# Allegro board A523-EVB-AXP717C-LPDDR4-4X-32X1-V1-0.brd (continued)
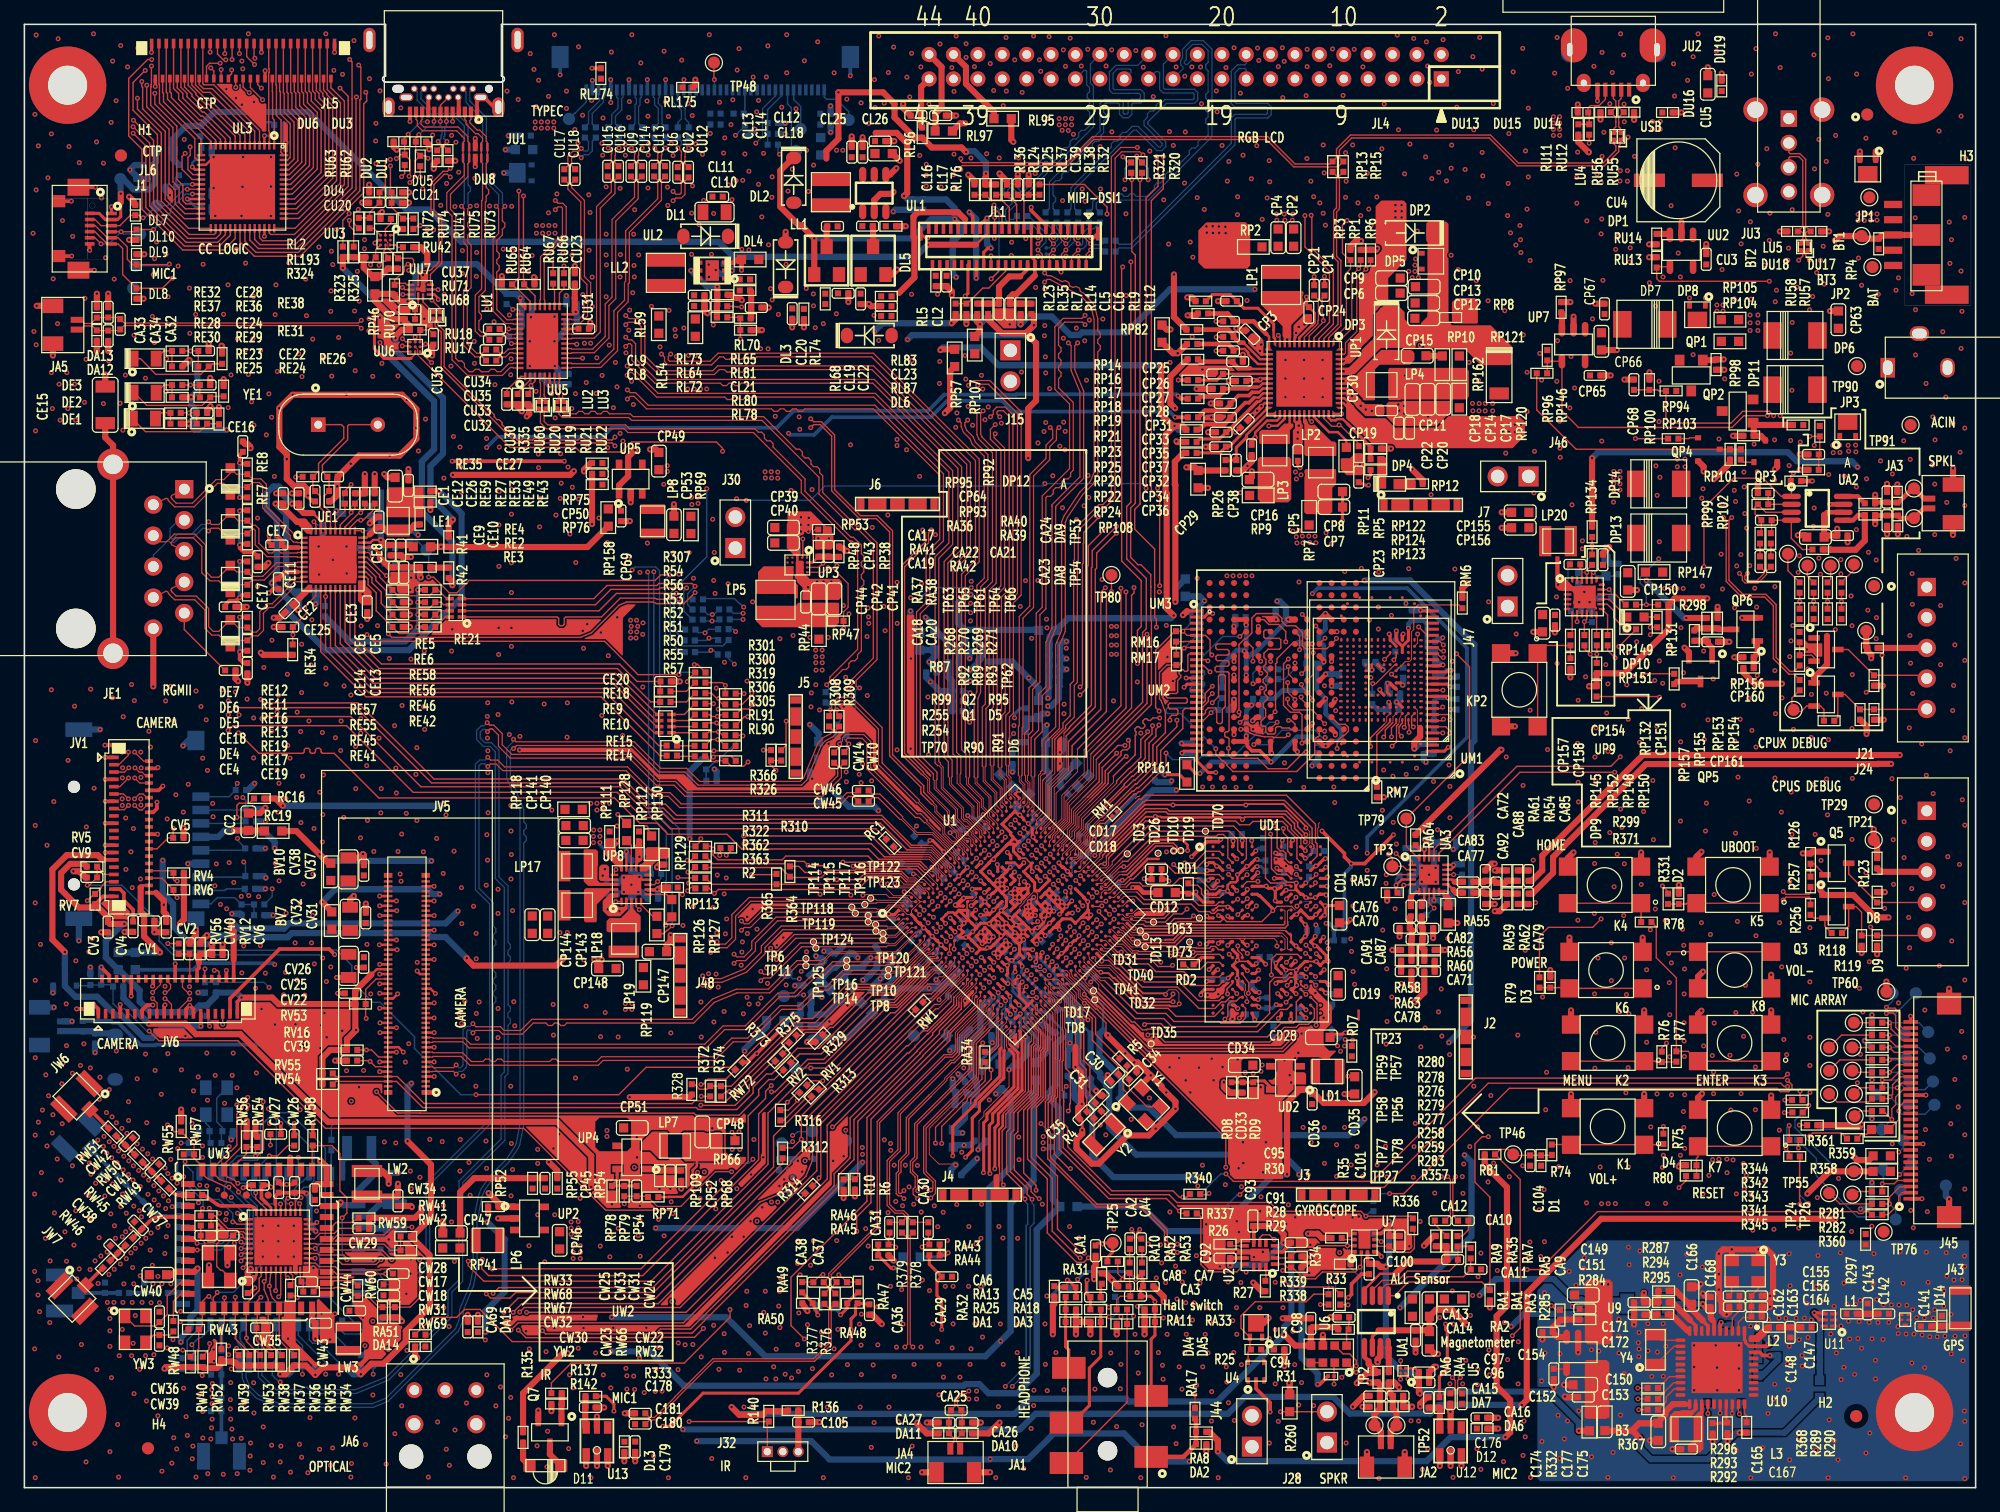
[diagram p0: board, top side]
## Routing (per net, layer and track width the routed paths; a pad name or vN(x,y) marks a point on that pad's centre or on a via; arc(x,y) is an arc through that point) (continued)
  L3 w0.102: JL4.28 91.04,116.68 91.04,115.58 91.72,114.9 v1(91.72,109.3)
LCM-IOVDD: length 6.5
  TOP w0.305: JL1.18 82.26,99.93 81.65,99.33
  TOP w0.508: 81.65,99.33 80.76,99.33 79.92,98.48 79.92,97.1 CL5.1 RL14.2 RL7.2
LCM-VDD33: length 9
  TOP w0.203: JL1.17 82.56,100.93 82.86,100.63 JL1.16
  TOP w0.305: JL1.16 82.86,99.4
  TOP w0.508: RL12.2 RL9.2 CL6.1 80.8,97.6 81.05,97.85 81.31,97.85 82.86,99.4
LDO-X-OUT: length 5.1
  TOP w0.114: U10.2 140.54,13.57 140.93,13.95 141.54,13.95 C164.2 141.61,14.02 C156.1 C155.1 142.2,16.32 Y3.4
LED0/CFG-EXT: length 25.4
  TOP w0.114: RE43.2 28.72,80.28 27.78,79.34 v1(27.58,79.34) 27.3,79.34 26.7,78.74 UE1.32 ; RE24.1 CE22.1 v1(13.47,88.14) RE23.1
  L4 w0.114: v1(27.58,79.34) 27.94,79.7 27.94,80.5 25.16,83.28 21.75,83.28 18.99,86.04 18.99,86.1 16.95,88.14 v1(13.47,88.14)
  BOTTOM w0.102: RE44.1 v1(27.58,79.34)
LED1/CFG-LDO0: length 27.3
  TOP w0.114: RE49.2 27.91,80.28 v1(27.58,79.95) 27.45,79.95 26.3,78.8 UE1.33 ; RE29.1 CE24.1 v1(13.62,90.43) RE28.1
  L4 w0.114: v1(27.58,79.95) 26.96,80.57 23.38,80.57 22.82,81.12 22.82,81.64 18.67,85.79 18.67,85.92 16.83,87.75 13.35,87.75 13.11,87.99 13.11,89.91 v1(13.62,90.43)
  BOTTOM w0.102: v1(27.58,79.95) 28.14,80.51 RE50.1
LED2/CFG-LDO1: length 33.7
  TOP w0.114: UE1.34 25.9,78.95 26.79,79.85 v1(26.79,79.98) 27.1,80.28 RE53.2 ; RE36.1 CE28.1 v1(13.62,93.22) RE32.1
  L4 w0.114: v1(26.79,79.98) 25.96,79.98 25.72,79.74 21,79.74 18.36,82.39 18.36,84.44 17.91,84.89 17.91,86.21 16.79,87.33 14.81,87.33 14.32,86.84 13.34,86.84 12.7,87.47 12.7,92.3 v1(13.62,93.22)
  BOTTOM w0.102: v1(26.79,79.98) 26.79,80.46 27.94,81.6 RE54.1
LED+: length 13.6
  TOP w0.305: JV6.28 14.16,42.47 14.31,42.62 14.31,43.06
  TOP w0.508: v1(15.32,44.58) 15.4,44.49 CV6.1 15.32,43.77 RV12.2 14.31,43.65 14.31,43.06
  BOTTOM w0.508: v1(15.32,44.58) 13.65,44.58 12.19,46.04 12.19,47.88 11.34,48.73 v1(11.34,51.44)
LED-: length 30
  TOP w0.305: JV6.29 v1(14.46,37.84) ; 6.5,51.49 JV1.29
  TOP w0.508: 6.5,51.49 6.41,51.49 6.03,51.87 3.47,51.87 2.3,50.7 2.3,44.95 v1(3.32,43.92)
  BOTTOM w0.508: v1(14.46,37.84) 11.43,37.84 10.47,36.88 9.81,36.88 7.95,38.74 7.5,38.74 5.97,40.26 4.19,40.26 3.32,41.13 QV1.3 v1(3.32,43.92)
LED-EN: length 105.7
  TOP w0.114: R340.1 96.46,24.02 97.03,24.02 v1(97.13,24.13) ; v1(10.24,37.44) 11.02,36.65 17.5,36.65 24.69,29.46 40.95,29.46 47.67,22.75 52.89,22.75 v1(53.16,22.48)
  L3 w0.114: v1(53.16,22.48) 58.8,22.48 62.59,26.27 65.55,26.27 65.79,26.04 75.16,26.04 75.81,25.39 79.34,25.39 79.76,25.82 82.08,25.82 84.46,23.44 96.45,23.44 v1(97.13,24.13)
  BOTTOM w0.114: QV1.1 5.35,41.17 CV7.1 6.28,41.22 RV14.2 7.12,41.25 RV13.2 7.27,39.69 7.71,39.25 8.22,39.25 10.03,37.44 v1(10.24,37.44)
LEDC: length 4.6
  TOP w0.114: R360.2 152.81,22.38 v1(153.7,23.27) 153.7,23.9 153.98,24.19 J45.2
  BOTTOM w0.114: v1(153.7,23.27) 153.82,23.39 TP108.1
LINEOUTLN: length 141.6
  TOP w0.076: 78.57,37.8 78.57,37.86 79.46,38.76 U1.AD1
  TOP w0.102: 78.57,37.8 77.47,36.7 77.47,34.32 73,29.84 73,27.11 72.64,26.75 72.64,25.87 73.04,25.48 73.04,24.65 72.87,24.49 72.87,24.07 v1(73.24,23.7) ; CA18.2 142.66,75.18 142.66,74.98 142.07,74.39 141.17,74.39 141.07,74.5 141.07,74.75 v1(141.29,74.98)
  L3 w0.102: v1(139.6,26.94) 139.37,26.71 139.37,26.37 139.05,26.05 137.5,26.05 136.86,26.69 124.05,26.69 121.87,24.51 115.23,24.51 114.94,24.81 101.82,24.81 97.91,20.9 92.99,20.9 92.11,21.79 74.9,21.79 73.41,23.28 73.41,23.53 v1(73.24,23.7)
  L4 w0.102: v1(141.29,74.98) 141.07,74.75 141.07,73.81 139.4,72.14 139.4,27.14 v1(139.6,26.94)
LINEOUTLP: length 141.8
  TOP w0.076: 78.71,37.66 78.72,37.67 78.72,37.68 78.76,37.72 78.76,37.8 79.81,38.86 U1.AD2
  TOP w0.102: CA20.2 142.86,75.18 142.86,74.9 142.16,74.19 141.08,74.19 140.86,74.41 140.86,74.75 v1(140.64,74.98) ; 78.71,37.66 77.67,36.62 77.67,34.23 73.2,29.76 73.2,27.03 72.85,26.67 72.85,25.96 73.24,25.56 v1(73.24,24.35)
  L3 w0.102: v1(73.24,24.35) 73.61,23.98 73.61,23.36 74.98,21.99 92.19,21.99 93.08,21.11 97.83,21.11 101.73,25.01 115.02,25.01 115.32,24.71 121.79,24.71 123.96,26.89 136.95,26.89 137.59,26.25 138.97,26.25 139.17,26.45 139.17,26.71 v1(138.95,26.94)
  L4 w0.102: v1(138.95,26.94) 139.19,27.19 139.19,72.22 140.86,73.89 140.86,74.75 v1(140.64,74.98)
LINEOUTRN: length 67.7
  TOP w0.076: U1.AE1 79.81,38.46 78.94,37.59
  TOP w0.102: 78.94,37.59 77.85,36.5 77.85,33.68 76.63,32.46 76.62,32.46 73.74,29.57 73.74,25.82 74.5,25.06 74.5,24.57 v1(74.33,24.4) ; CA10.2 117.13,22.32 117.13,25.28 v1(117.36,25.51)
  L3 w0.102: v1(117.36,25.51) 117.13,25.73 117.13,26.03 116.74,26.42 115.65,26.42 115.33,26.1 106.16,26.1 105.71,26.55 100.85,26.55 96.29,21.99 93.52,21.99 92.68,22.83 76.12,22.83 74.78,24.18 74.55,24.18 v1(74.33,24.4)
LINEOUTRP: length 68.5
  TOP w0.076: 79.09,37.45 79.09,37.46 79.09,37.47 79.13,37.51 79.13,37.53 79.83,38.23 79.89,38.23 80.17,38.51 U1.AE2
  TOP w0.102: CA12.2 116.93,22.32 116.93,25.28 v1(116.7,25.51) ; 79.09,37.45 78.05,36.42 78.05,33.6 76.72,32.26 76.71,32.26 73.94,29.49 73.94,25.91 74.7,25.15 74.7,24.12 v1(74.33,23.75)
  L3 w0.102: v1(74.33,23.75) 74.55,23.97 74.7,23.97 76.04,22.63 92.59,22.63 93.43,21.79 96.38,21.79 100.93,26.35 105.63,26.35 106.08,25.89 115.41,25.89 115.74,26.22 116.66,26.22 116.93,25.95 116.93,25.73 v1(116.7,25.51)
LPCLK: length 1.8
  TOP w0.114: RW32.2 22.87,16.74 CW22.2 22.62,16.99 UW2.20
LRADC0: length 114.8
  TOP w0.076: 77.91,39.95 77.91,40.14 U1.Y1
  TOP w0.102: 76.97,38.57 77.91,39.52 77.91,39.95
  TOP w0.114: v1(63.96,12.19) 62.86,13.29 62.86,17.26 69.09,23.48 69.09,30.34 75.69,36.94 75.69,37.29 76.97,38.57 ; R74.1 125.21,27.25 D1.2 C104.2 122.16,27.25 TP46.1 121.67,27.74 121,27.74 R81.2 122.65,25.27 122.65,13.1 v1(122.01,12.46)
  L3 w0.114: v1(122.01,12.46) 121.54,11.99 107.75,11.99 107.22,11.46 78.66,11.46 77.77,12.34 64.11,12.34 v1(63.96,12.19)
LRADC1: length 122.2
  TOP w0.076: U1.Y2 78.4,40.27 78.13,40.01 78.13,39.83
  TOP w0.114: v1(68.25,21.01) 68.25,22.2 69.42,23.37 69.42,30.22 75.9,36.7 75.9,37.23 78.13,39.46 78.13,39.83 ; J45.20 153.97,33.19 v1(153.57,32.79)
  L3 w0.114: v1(68.25,21.01) 68.66,20.6 71.68,20.6 73.8,18.48 89.16,18.48 90.04,19.35 93.22,19.35 94.2,20.34 98.46,20.34 102.24,24.12 111.16,24.12 111.53,23.75 122.46,23.75 124.6,25.89 136.48,25.89 137.17,25.2 139.82,25.2 140.6,25.98 149.64,25.98 151.02,27.36 151.02,30.59 153.22,32.79 v1(153.57,32.79)
  BOTTOM w0.114: TP73.1 152.35,32.79 v1(153.57,32.79)
MBIAS: length 126.3
  TOP w0.076: 80.09,36.05 80.09,37.37 U1.AG1
  TOP w0.254: v1(52.35,5.03) 52.94,5.03 55.65,7.75 63.47,7.75 67.78,12.05 v1(67.78,12.94) 67.78,13.83 68.15,14.2 68.15,14.94 RA48.2 68.74,15.09 CA36.2 ; v1(76.12,27.21) 76.12,29.61 77.98,31.47 77.98,31.74 79.98,33.74 79.98,35.94 80.09,36.05 ; RA44.2 74.2,18.31 CA29.2 74.83,16.91 74.83,15.75 75.22,15.36 v1(75.22,12.97) ; R333.2 47.7,7.49 48.34,6.85 v1(48.34,6.27) ; R332.2 116.03,9.1 116.67,9.74 116.67,12.83 116.54,12.97 v1(116.54,13.41)
  L3 w0.254: v1(52.35,5.03) 49.38,5.03 48.34,6.07 v1(48.34,6.27) ; v1(67.78,12.94) 67.79,12.95 75.2,12.95 v1(75.22,12.97) 84.07,12.97 84.15,13.04 100.19,13.04 100.56,13.41 v1(116.54,13.41) ; v1(71.02,28.22) 73.71,28.22 74.45,27.48 75.85,27.48 v1(76.12,27.21)
  L4 w0.254: v1(71.02,28.22) 70.92,28.22 70.28,27.58 70.28,17.28 67.78,14.78 v1(67.78,12.94)
MBIAS1: length 1.4
  TOP w0.114: v1(113.11,49.4) UA3.5
  BOTTOM w0.114: v1(113.11,49.4) 112.88,49.2 CA80.1
MBIAS2: length 1.3
  TOP w0.114: v1(117.19,50.27) 117.06,50.27 117.06,50.27 UA3.13
  BOTTOM w0.114: v1(117.19,50.27) 117.19,50.27 CA81.1
MCSI-MCLK-F: length 2.9
  TOP w0.114: JV6.26 13.56,43.75 CV40.1 RV56.2
MCSI-MCLK-R: length 81.1
  TOP w0.114: JV1.26 10.88,52.39 11.79,53.29 CV5.1 v1(12.2,54.08) ; RV1.2 63.35,32.4 v1(62.56,31.61)
  L4 w0.114: v1(12.2,54.08) 10.09,54.08 6.68,50.67 6.68,42.92 14.8,34.8 21.42,34.8 26.12,30.1 40.71,30.1 41.71,31.1 55.03,31.1 55.12,31 55.69,31 56.27,31.58 62.13,31.58 62.15,31.61 v1(62.56,31.61)
MCSI-RST-F: length 91.2
  TOP w0.076: U1.M2 75.57,43.1 75.02,42.55 74.46,42.55 74.36,42.45
  TOP w0.114: 74.36,42.45 71.5,39.59 70.34,39.59 69.95,39.19 69.95,39.08 65.66,34.8 64.34,34.8 61.68,32.14 61.68,32.13 60.21,30.65 60.21,26.89 51.05,17.73 51.05,17.73 50.71,17.39 38.06,17.39 37.5,17.95 37.5,18.67 v1(37.55,18.72) ; v1(15.19,37.85) 15.06,37.98 JV6.31
  L3 w0.114: v1(37.55,18.72) 35.34,20.93 34.65,20.93 33.78,21.79 33.78,28.9 30.91,31.77 30.91,34.44 27.38,37.97 26.79,37.97 26.3,38.46 18.72,38.46 17.76,37.5 15.54,37.5 v1(15.19,37.85)
  BOTTOM w0.114: v1(15.19,37.85) 15.19,38.44 RV8.2
MCSI-RST-R: length 77.2
  TOP w0.114: U1.J5 v1(75.97,45.18) ; v1(12.53,49.75) 12.34,49.75 12.22,49.86 RV4.2 12.06,50.59 JV1.32
  L4 w0.076: v1(75.97,45.18) 75.97,44.61 74.66,43.3
  L4 w0.114: v1(12.53,49.75) 15.76,49.75 26.63,38.88 34.51,38.88 37.52,35.87 55.82,35.87 58,38.05 60.88,38.05 61.33,38.5 62.08,38.5 62.08,38.5 62.49,38.5 62.81,38.18 64.99,38.18 67.35,40.54 71.34,40.54 72.82,42.02 73.38,42.02 74.66,43.3
MCSI-SCK-F: length 47.5
  TOP w0.114: v1(55.5,32.09) 55.5,32.09 R372.2 ; JV6.34 15.96,42.3 15.85,42.42 v1(15.57,42.42)
  L4 w0.114: v1(15.57,42.42) 15.57,41.91 26.55,30.93 40.23,30.93 41.68,32.39 55.2,32.39 55.5,32.09 v1(55.5,32.09)
MCSI-SCK-R: length 77.5
  TOP w0.114: U1.L5 76.24,44.82 v1(76.24,44.17) ; v1(12.52,48.39) 12.22,48.68 RV6.2 11.26,49.99 JV1.34
  L4 w0.076: 74.75,42.75 75.46,43.46 75.98,43.46 76.24,43.72 v1(76.24,44.17)
  L4 w0.114: 74.75,42.75 73.46,41.46 73.15,41.46 69.23,37.54 62.55,37.54 62.23,37.86 61.6,37.86 61.15,37.42 58.27,37.42 56.09,35.23 37.17,35.23 34.73,37.68 33.42,37.68 33.02,38.08 29.63,38.08 29.31,37.75 28.16,37.75 27.44,38.48 26.57,38.48 16.66,48.39 v1(12.52,48.39)
MCSI-SDA-F: length 51.6
  TOP w0.114: v1(16.26,38) JV6.35 ; R373.2 61.28,34.7 61.1,34.7 59.44,33.03 59.44,32.51 58.27,31.35 55.48,31.35 v1(55.46,31.37)
  L4 w0.114: v1(55.46,31.37) 55.22,31.61 41.52,31.61 40.51,30.59 26.32,30.59 18.91,38 v1(16.26,38)
MCSI-SDA-R: length 85.6
  TOP w0.076: v1(76.92,43.44) 76.92,43.52 76.63,43.81 U1.N4
  TOP w0.114: v1(5.16,48.13) 5.71,48.68 RV7.2 6.3,49.19 6.3,49.28 6.71,49.69 JV1.35
  L3 w0.114: v1(5.16,48.13) 6.65,49.63 9.12,49.63 9.68,49.07 15.37,49.07 16.59,47.85 v1(16.59,47.47)
  L4 w0.076: v1(76.92,43.44) 76.17,43.44 76.03,43.29
  L4 w0.114: 76.03,43.29 75.63,43.29 71.9,39.56 71.76,39.56 69.31,37.1 58.4,37.1 56.22,34.91 37.03,34.91 35,36.95 28.51,36.95 27.43,38.04 26.56,38.04 17.12,47.47 v1(16.59,47.47)
MCSI-STBY-F: length 73.8
  TOP w0.076: 73.75,42.2 74.25,42.7 74.82,42.7 U1.M1
  TOP w0.114: v1(61.27,32.46) 61.55,32.46 64.21,35.11 65.53,35.11 70.19,39.78 71.33,39.78 73.75,42.2 ; v1(14.81,42.55) 14.76,42.5 JV6.30
  L4 w0.114: v1(61.27,32.46) 60.89,32.08 56.82,32.08 56.34,32.56 55.48,32.56 55.33,32.7 41.48,32.7 40.02,31.25 26.74,31.25 20.07,37.92 v1(20.07,41.02)
  BOTTOM w0.114: v1(20.07,41.02) 19.64,41.45 RV3.2 CV8.1 v1(14.81,42.55)
MCSI-STBY-R: length 85.3
  TOP w0.114: U1.J4 75.54,44.9 75.54,44.87 v1(75.6,44.81) ; JV1.33 6.6,50.29 RV5.2 CV9.1 5.33,49.4 v1(5.16,49.4)
  L4 w0.076: 74.53,43.43 74.54,43.43 75.6,44.49 v1(75.6,44.81)
  L4 w0.114: 74.53,43.43 73.3,42.21 68.1,42.21 65.09,39.19 60.68,39.19 59.87,38.39 57.76,38.39 55.55,36.18 40.31,36.18 37.24,39.26 29.85,39.26 29.42,39.69 27.24,39.69 24.46,42.47 v1(24.46,43.43)
  BOTTOM w0.114: v1(5.16,49.4) 8,49.4 11.05,46.35 11.05,44.82 12.05,43.81 12.06,43.81 12.19,43.69 24.21,43.69 v1(24.46,43.43)
MCSIA-CKN: length 77.8
  TOP w0.076: U1.B2 71.68,46.99 71.68,46.99 71.42,46.72 70.71,46.72 70.62,46.81 70.6,46.81
  TOP w0.102: v1(58.19,43.75) 58.42,43.52 59,43.52 59.64,44.16 59.64,44.79 61.63,46.79 62.36,46.79 62.38,46.81 69.19,46.81 ; v1(9.04,55.95) 9.43,55.57 9.65,55.57 10.07,55.99 JV1.14 ; 69.19,46.81 TP118.1 ; 69.19,46.81 70.6,46.81
  L4 w0.102: v1(9.04,55.95) 9.04,55.84 9.29,55.6 11.86,55.6 13.54,57.28 15.63,57.28 15.81,57.46 16.11,57.46 16.29,57.28 21.73,57.28 25.95,53.06 25.95,52.3 26.52,51.72 26.52,51.35 26.14,50.97 26.14,50.82 26.28,50.68 26.43,50.68 26.81,51.06 27.18,51.06 27.49,50.75 27.49,50.38 27.11,50 27.11,49.85 27.25,49.71 27.4,49.71 27.78,50.09 28.15,50.09 28.82,49.43 29.12,49.43 29.92,48.62 29.92,47.42 33.27,44.07 34.94,44.07 36.11,42.9 53.34,42.9 53.93,43.49 57.93,43.49 v1(58.19,43.75)
MCSIA-CKP: length 77.7
  TOP w0.076: 70.6,46.5 70.61,46.5 70.68,46.57 71.61,46.57 U1.B1
  TOP w0.102: v1(58.19,42.99) 58.42,43.22 59.13,43.22 59.94,44.03 59.94,44.67 61.76,46.48 62.48,46.48 62.51,46.5 69.19,46.5 ; 69.19,46.5 TP119.1 ; 69.19,46.5 70.6,46.5 ; v1(8.54,55.95) 8.18,55.59 7.78,55.59 7.68,55.69 JV1.15
  L4 w0.102: v1(8.54,55.95) 9.17,55.32 11.97,55.32 13.66,57 21.61,57 25.67,52.94 25.67,52.18 26.24,51.61 26.24,51.46 25.86,51.08 25.86,50.71 26.17,50.4 26.54,50.4 26.92,50.78 27.07,50.78 27.21,50.64 27.21,50.49 26.83,50.11 26.83,49.74 27.14,49.43 27.51,49.43 27.9,49.81 28.04,49.81 28.7,49.15 29,49.15 29.64,48.51 29.64,47.3 33.16,43.79 34.83,43.79 35.99,42.62 53.45,42.62 54.04,43.21 57.97,43.21 v1(58.19,42.99)
MCSIA-D0N: length 77.8
  TOP w0.076: 69.84,48.23 69.9,48.17 72.27,48.17 U1.A4
  TOP w0.102: JV1.11 7.89,56.89 7.9,56.9 8.11,56.9 v1(8.52,56.48) ; 69.39,48.23 69.84,48.23 ; 69.39,48.23 TP116.1 ; 69.39,48.23 63.06,48.23 62.91,48.39 59.41,48.39 58.01,46.99 58.01,45.1 57.49,44.58 56.99,44.58 v1(56.8,44.76)
  L4 w0.102: v1(8.52,56.48) 8.52,56.54 9.1,57.12 11.6,57.12 12.95,58.47 22.1,58.47 26.75,53.82 26.75,52.47 27.71,51.5 28.13,51.5 28.48,51.16 28.62,51.16 28.94,51.48 29.32,51.48 29.63,51.17 29.63,50.8 29.3,50.47 29.3,50.33 31.22,48.42 31.22,47.59 33.6,45.21 35.09,45.21 36.23,44.07 53.02,44.07 53.15,44.2 55.59,44.2 55.92,44.53 56.56,44.53 v1(56.8,44.76)
MCSIA-D0P: length 77.8
  TOP w0.076: 69.84,47.93 69.86,47.93 69.92,47.99 72.09,47.99 72.39,47.7 U1.B4
  TOP w0.102: v1(9.03,56.48) 9.43,56.89 9.73,56.89 10.03,56.59 JV1.12 ; TP117.1 68.91,47.93 ; 68.91,47.93 69.84,47.93 ; 68.91,47.93 62.94,47.93 62.78,48.08 59.54,48.08 58.32,46.86 58.32,44.97 57.62,44.27 57,44.27 v1(56.77,44.04)
  L4 w0.102: v1(56.77,44.04) 56.76,44.04 56.56,44.25 56.04,44.25 55.71,43.92 53.26,43.92 53.14,43.79 36.12,43.79 34.97,44.93 33.48,44.93 30.94,47.48 30.94,48.3 29.02,50.21 29.02,50.59 29.35,50.91 29.35,51.06 29.2,51.2 29.06,51.2 28.74,50.88 28.36,50.88 28.02,51.22 27.6,51.22 26.47,52.35 26.47,53.7 21.98,58.19 13.06,58.19 11.72,56.84 9.22,56.84 9.05,56.67 9.05,56.5 v1(9.03,56.48)
MCSIA-D1N: length 77.8
  TOP w0.076: U1.A3 71.96,47.77 70.86,47.77 70.52,47.43 69.92,47.43 69.86,47.5 69.84,47.5
  TOP w0.102: TP114.1 67.84,47.5 ; 67.84,47.5 60.66,47.5 59.4,46.24 59.03,46.24 v1(58.8,46.47) ; 67.84,47.5 69.84,47.5 ; JV1.8 9.46,57.79 v1(9.05,58.2)
  L4 w0.102: v1(58.8,46.47) 58.57,46.23 55.28,46.23 54,44.96 50.03,44.96 49.93,45.06 49.93,45.38 49.66,45.64 49.23,45.64 48.96,45.38 48.96,45.06 48.86,44.96 48.66,44.96 48.56,45.06 48.56,45.38 48.29,45.64 47.86,45.64 47.59,45.38 47.59,45.06 47.49,44.96 47.29,44.96 47.19,45.06 47.19,45.38 46.92,45.64 46.49,45.64 46.22,45.38 46.22,45.06 46.12,44.96 36.63,44.96 35.11,46.48 33.53,46.48 32.08,47.93 32.08,50.12 29.69,52.5 29.69,52.75 29.48,52.97 29.23,52.97 29.01,53.18 29.01,53.43 28.8,53.65 28.55,53.65 26.97,55.23 26.97,55.47 26.76,55.69 26.51,55.69 26.29,55.9 26.29,56.15 26.08,56.37 25.83,56.37 24.7,57.49 24.7,57.74 24.49,57.96 24.24,57.96 24.02,58.17 24.02,58.42 23.81,58.64 23.56,58.64 23.35,58.85 23.35,59.1 23.13,59.31 22.88,59.31 22.73,59.47 12.25,59.47 10.67,57.89 9.24,57.89 9.05,58.09 v1(9.05,58.2)
MCSIA-D1P: length 78
  TOP w0.076: 69.84,47.19 69.86,47.19 69.92,47.26 70.57,47.26 70.93,47.62 71.76,47.62 71.93,47.45 72.29,47.45 U1.B3
  TOP w0.102: 68.13,47.19 69.84,47.19 ; 68.13,47.19 60.79,47.19 59.53,45.94 59.03,45.94 v1(58.8,45.71) ; 68.13,47.19 TP115.1 ; JV1.9 7.83,57.49 v1(8.54,58.2)
  L4 w0.102: v1(58.8,45.71) 58.56,45.95 55.39,45.95 54.12,44.68 49.92,44.68 49.65,44.94 49.65,45.26 49.55,45.36 49.35,45.36 49.24,45.26 49.24,44.94 48.98,44.68 48.54,44.68 48.28,44.94 48.28,45.26 48.18,45.36 47.97,45.36 47.87,45.26 47.87,44.94 47.61,44.68 47.17,44.68 46.91,44.94 46.91,45.26 46.81,45.36 46.6,45.36 46.5,45.26 46.5,44.94 46.24,44.68 36.52,44.68 34.99,46.2 33.41,46.2 31.8,47.82 31.8,50 22.61,59.19 12.36,59.19 10.79,57.61 9.13,57.61 v1(8.54,58.2)
MCSIB-D0N: length 79.8
  TOP w0.102: JV1.5 7.89,58.69 7.9,58.67 8.2,58.67 v1(8.56,59.03) ; 73.45,47.7 U1.C5 73.77,47.38 v1(73.77,47.35)
  L4 w0.102: v1(8.56,59.03) 8.68,59.15 8.68,59.45 9.06,59.84 10.26,59.84 10.9,60.49 23.45,60.49 37.37,46.57 37.89,46.57 38.16,46.3 38.16,45.91 38.26,45.81 38.46,45.81 38.56,45.91 38.56,46.3 38.83,46.57 39.26,46.57 39.53,46.3 39.53,45.91 39.63,45.81 39.83,45.81 39.94,45.91 39.94,46.3 40.2,46.57 40.64,46.57 40.9,46.3 40.9,45.91 41,45.81 41.21,45.81 41.31,45.91 41.31,46.3 41.57,46.57 42.01,46.57 42.27,46.3 42.27,45.91 42.37,45.81 42.58,45.81 42.68,45.91 42.68,46.3 42.94,46.57 51.67,46.57 51.97,46.86 54.56,46.86 55.96,48.27 61.52,48.27 63.38,46.41 72.21,46.41 73.06,47.27 73.14,47.35 v1(73.77,47.35)
MCSIB-D0P: length 79.6
  TOP w0.102: JV1.6 9.94,58.39 9.65,58.67 9.42,58.67 v1(9.07,59.03) ; U1.C4 73.41,47.03 v1(73.41,46.99)
  L4 w0.102: v1(73.41,46.99) 73.18,46.99 72.32,46.13 63.26,46.13 61.4,47.99 59.57,47.99 59.4,47.82 59.09,47.82 58.92,47.99 58.61,47.99 58.44,47.82 58.13,47.82 57.96,47.99 56.08,47.99 54.67,46.58 52.08,46.58 51.79,46.29 45.97,46.29 45.79,46.11 45.49,46.11 45.31,46.29 45.01,46.29 44.83,46.11 44.53,46.11 44.35,46.29 43.06,46.29 42.96,46.19 42.96,45.79 42.69,45.53 42.26,45.53 41.99,45.79 41.99,46.19 41.89,46.29 41.69,46.29 41.59,46.19 41.59,45.79 41.32,45.53 40.89,45.53 40.62,45.79 40.62,46.19 40.52,46.29 40.32,46.29 40.22,46.19 40.22,45.79 39.95,45.53 39.52,45.53 39.25,45.79 39.25,46.19 39.15,46.29 38.95,46.29 38.84,46.19 38.84,45.79 38.58,45.53 38.14,45.53 37.88,45.79 37.88,46.19 37.78,46.29 37.25,46.29 23.33,60.21 11.02,60.21 10.37,59.56 9.18,59.56 8.96,59.34 8.96,59.14 v1(9.07,59.03)
MCSIB-D1N: length 78.7
  TOP w0.102: v1(9.03,60.32) 9.77,59.59 JV1.2 ; v1(74.54,46.77) 74.51,46.77 74.29,46.99 U1.E5
  L4 w0.076: 69.95,47.03 69.97,47.03 70.04,47.1 70.46,47.1 70.91,47.55 72.42,47.55 72.57,47.7 73.89,47.7 74.42,47.17 74.86,47.17 75.08,46.95 75.08,46.55 74.89,46.35 74.63,46.35 74.54,46.44 v1(74.54,46.77)
  L4 w0.102: v1(9.03,60.32) 8.93,60.43 8.93,60.76 9.4,61.24 23.96,61.24 32.33,52.88 32.8,52.88 37.24,48.44 37.94,48.44 38.12,48.26 38.42,48.26 38.6,48.44 38.9,48.44 39.08,48.26 39.38,48.26 39.56,48.44 39.86,48.44 40.04,48.26 40.34,48.26 40.52,48.44 41.74,48.44 41.91,48.26 42.22,48.26 42.39,48.44 42.7,48.44 42.87,48.26 43.18,48.26 43.35,48.44 44.96,48.44 45.14,48.26 45.44,48.26 45.62,48.44 45.92,48.44 46.1,48.26 46.4,48.26 46.58,48.44 46.88,48.44 47.06,48.26 47.36,48.26 47.54,48.44 48.65,48.44 49.11,47.98 54.58,47.98 55.69,49.1 63.64,49.1 65.7,47.03 69.95,47.03
MCSIB-D1P: length 78.9
  TOP w0.102: U1.E4 73.8,46.62 74.08,46.35 74.08,46.34 v1(74.1,46.31) ; JV1.3 7.75,59.29 8.53,60.06 v1(8.53,60.32)
  L4 w0.076: v1(74.1,46.31) 74.45,46.31 74.56,46.2 74.95,46.2 75.23,46.48 75.23,47.02 74.93,47.32 74.49,47.32 73.95,47.86 72.5,47.86 72.35,47.7 70.84,47.7 70.39,47.25 70.04,47.25 69.97,47.31 69.95,47.31
  L4 w0.102: v1(8.53,60.32) 8.65,60.44 8.65,60.88 9.29,61.52 24.08,61.52 32.44,53.15 32.91,53.15 37.35,48.72 48.77,48.72 49.22,48.26 54.46,48.26 55.57,49.38 63.76,49.38 65.82,47.31 69.95,47.31
MCSIC-CKN: length 81.6
  TOP w0.076: U1.E2 72.74,45.93 72.49,45.68 72.43,45.68 71.35,44.6 70.87,44.6 70.81,44.66 70.68,44.66
  TOP w0.102: v1(13.56,40.05) 13.49,40.05 12.66,39.22 JV6.23 ; 64.7,44.66 70.68,44.66 ; 64.7,44.66 TP124.1 ; 64.7,44.66 63.61,44.66 61.05,42.1 60.61,42.1 v1(60.39,42.33)
  L4 w0.102: v1(13.56,40.05) 12.88,40.73 12.88,44.22 10.77,46.33 10.77,49.02 12.51,50.76 20.99,50.76 28.12,43.64 29.35,43.64 31.83,41.16 33.99,41.16 34.59,40.56 58.15,40.56 59.69,42.1 60.16,42.1 v1(60.39,42.33)
MCSIC-CKP: length 81.3
  TOP w0.076: 70.68,44.36 70.69,44.36 70.78,44.44 71.41,44.44 72.49,45.52 72.68,45.52 U1.E1
  TOP w0.102: 70.68,44.36 64.9,44.36 ; 64.9,44.36 TP125.1 ; 64.9,44.36 63.74,44.36 61.18,41.8 60.61,41.8 v1(60.39,41.57) ; v1(13.56,40.56) 13.43,40.56 12.96,41.03 JV6.24
  L4 w0.102: v1(13.56,40.56) 13.44,40.56 13.16,40.84 13.16,41.45 13.34,41.63 13.34,41.93 13.16,42.11 13.16,42.41 13.34,42.59 13.34,42.89 13.16,43.07 13.16,43.37 13.34,43.55 13.34,43.85 13.16,44.03 13.16,44.33 12.41,45.09 12.41,45.33 12.19,45.55 11.94,45.55 11.73,45.77 11.73,46.01 11.51,46.23 11.26,46.23 11.05,46.44 11.05,48.9 12.63,50.48 20.88,50.48 21.64,49.71 21.64,49.47 21.86,49.25 22.11,49.25 22.32,49.03 22.32,48.79 22.54,48.57 22.79,48.57 24.67,46.69 24.67,46.44 24.88,46.22 25.13,46.22 25.35,46.01 25.35,45.76 25.56,45.55 25.81,45.55 28,43.36 29.24,43.36 31.71,40.88 33.87,40.88 34.47,40.28 58.27,40.28 59.8,41.82 60.14,41.82 v1(60.39,41.57)
MCSIC-D0N: length 82.2
  TOP w0.076: 70.69,46.06 70.71,46.06 70.78,45.98 71.38,45.98 72.04,46.64 72.15,46.64 U1.C2
  TOP w0.102: v1(11.53,40.6) 11.66,40.6 11.99,40.93 11.99,41.25 11.76,41.48 JV6.20 ; 69.8,46.06 70.69,46.06 ; 69.8,46.06 62.06,46.06 60.43,44.42 60.43,43.92 59.05,42.54 57.13,41.74 55.84,41.74 v1(55.62,41.97) ; 69.8,46.06 TP122.1
  L4 w0.102: v1(55.62,41.97) 55.38,41.73 54.61,41.73 54.23,41.35 35.04,41.35 34.39,41.99 32.08,41.99 30.07,44 30.07,44.45 29.05,45.47 27.95,45.47 21.46,51.96 12.38,51.96 9.94,49.52 9.94,43.98 11.88,42.03 11.88,40.96 v1(11.53,40.6)
MCSIC-D0P: length 82
  TOP w0.076: 70.69,45.75 70.71,45.75 70.78,45.83 71.45,45.83 71.9,46.28 U1.C1
  TOP w0.102: 69.82,45.75 62.19,45.75 60.73,44.3 60.73,43.79 59.22,42.28 57.19,41.44 55.84,41.44 v1(55.62,41.21) ; 69.82,45.75 TP123.1 ; 69.82,45.75 70.69,45.75 ; JV6.21 12.06,39.63 11.59,40.09 v1(11.53,40.09)
  L4 w0.102: v1(55.62,41.21) 55.38,41.45 54.72,41.45 54.34,41.07 34.92,41.07 34.27,41.71 31.96,41.71 29.79,43.88 29.79,44.33 28.94,45.19 27.84,45.19 21.34,51.68 12.49,51.68 10.22,49.41 10.22,44.09 11.26,43.05 11.51,43.05 11.72,42.84 11.72,42.59 12.16,42.15 12.16,40.73 v1(11.53,40.09)
MCSIC-D1N: length 85.3
  TOP w0.076: U1.D2 72.39,46.28 71.41,45.3 70.82,45.3 70.76,45.36 70.73,45.36
  TOP w0.102: 70.4,45.36 63.13,45.36 61.77,44.01 61.41,44.01 v1(61.19,44.23) ; 70.4,45.36 70.73,45.36 ; 70.4,45.36 TP120.1 ; JV6.17 10.86,39.26 10.89,39.29 10.89,39.73 v1(10.51,40.11)
  L4 w0.102: v1(10.51,40.11) 10.28,40.34 10.01,40.34 7.53,42.81 7.53,48.94 11.55,52.96 15.03,52.96 15.14,52.85 18.05,52.85 18.29,53.09 21.82,53.09 27.92,46.99 29.44,46.35 30.34,45.98 33.51,42.82 34.84,42.82 35.55,42.11 53.53,42.11 54.2,42.78 57.63,42.78 57.94,42.47 58.97,42.47 60.21,43.71 60.99,44.03 v1(61.19,44.23)
MCSIC-D1P: length 84.7
  TOP w0.076: U1.D1 72.26,45.93 71.47,45.15 70.82,45.15 70.74,45.06 70.73,45.06
  TOP w0.102: v1(61.19,43.47) 61.41,43.7 61.9,43.7 63.26,45.06 70.41,45.06 ; 70.41,45.06 TP121.1 ; 70.41,45.06 70.73,45.06 ; v1(10.51,40.61) 11.16,41.26 JV6.18
  L4 w0.102: v1(61.19,43.47) 60.95,43.71 60.37,43.47 59.08,42.19 57.83,42.19 57.51,42.5 54.32,42.5 53.65,41.83 35.43,41.83 34.73,42.54 33.39,42.54 30.19,45.75 27.76,46.75 21.71,52.81 18.4,52.81 18.17,52.57 15.02,52.57 14.91,52.68 13.89,52.68 13.71,52.51 13.41,52.51 13.23,52.68 12.93,52.68 12.75,52.51 12.45,52.51 12.27,52.68 11.67,52.68 10.64,51.66 10.64,51.42 10.43,51.2 10.18,51.2 9.96,50.98 9.96,50.74 9.75,50.52 9.5,50.52 7.81,48.83 7.81,42.93 8.4,42.34 8.65,42.34 8.86,42.12 8.86,41.88 9.08,41.66 9.32,41.66 9.54,41.45 9.54,41.2 10.12,40.61 v1(10.51,40.61)
MCSID-CKN: length 46.2
  TOP w0.076: 70.95,42.11 71.04,42.11 71.13,42.2 71.8,42.2 73.11,43.51 73.13,43.51 73.87,44.25 73.9,44.25 74.16,44.52 U1.H2
  TOP w0.102: JV5.15 33.46,35.31 33.51,35.36 35.8,35.36 36.52,34.64 47.06,34.64 47.45,35.03 56.6,35.03 58.13,36.56 59.43,36.56 62.09,39.22 63.68,39.22 65.25,40.79 65.91,40.79 67.23,42.11 70.82,42.11 ; 70.82,42.11 TP8.1 ; 70.82,42.11 70.95,42.11
MCSID-CKP: length 45.9
  TOP w0.076: U1.H1 73.8,44.41 73.06,43.67 73.05,43.67 71.74,42.36 71.13,42.36 71.08,42.41 70.95,42.41
  TOP w0.102: 70.95,42.41 70.87,42.41 ; 70.87,42.41 TP10.1 ; 70.87,42.41 67.1,42.41 65.79,41.1 65.13,41.1 63.55,39.52 61.97,39.52 59.31,36.87 58,36.87 56.47,35.34 47.32,35.34 46.93,34.94 43.78,34.94 43.58,35.14 43.27,35.14 43.07,34.94 39.31,34.94 39.11,35.14 38.81,35.14 38.61,34.94 38.3,34.94 38.1,35.14 37.8,35.14 37.6,34.94 36.65,34.94 35.93,35.67 33.51,35.67 33.46,35.71 JV5.17
MCSID-D0N: length 47.4
  TOP w0.076: U1.F1 72.96,45.22 71.53,43.79 66.21,43.79 65.62,43.2 65.62,43.09 65.61,43.08
  TOP w0.102: v1(35.41,33.91) 35.18,34.14 33.48,34.14 33.46,34.11 JV5.9 ; TP11.1 64.08,42.91 ; 64.08,42.91 65.44,42.91 65.61,43.08 ; 64.08,42.91 63.47,42.91 61.13,40.57 58.44,40.57 56.58,39.8 54.88,38.1 44.48,38.1 44.28,37.9 43.97,37.9 43.77,38.1 43.47,38.1 43.27,37.9 42.96,37.9 42.76,38.1 41.73,38.1 40.82,37.19 39.22,37.19 38.91,37.49 36.98,37.49 v1(36.78,37.29)
  BOTTOM w0.102: v1(36.78,37.29) 36.55,37.52 36.37,37.52 36.27,37.41 36.27,34.63 36.18,34.41 35.9,34.14 35.63,34.14 v1(35.41,33.91)
MCSID-D0P: length 47.5
  TOP w0.076: U1.F2 73.1,45.58 71.47,43.94 66.15,43.94 65.51,43.31 65.41,43.31 65.39,43.29
  TOP w0.102: JV5.11 33.46,34.51 33.53,34.44 35.18,34.44 v1(35.41,34.67) ; 64.08,43.22 TP6.1 ; 64.08,43.22 65.32,43.22 65.39,43.29 ; 64.08,43.22 63.34,43.22 61,40.88 58.38,40.88 56.41,40.06 54.75,38.4 41.6,38.4 40.69,37.49 39.34,37.49 39.04,37.8 37.03,37.8 v1(36.78,38.05)
  BOTTOM w0.102: v1(36.78,38.05) 36.55,37.82 36.25,37.82 35.97,37.54 35.97,34.69 35.92,34.59 35.78,34.44 35.63,34.44 v1(35.41,34.67)
MCSID-D1N: length 45.2
  TOP w0.076: U1.G2 73.8,44.87 73.43,44.5 71.96,43.02 71.42,43.02 71.38,42.98 71.38,42.98 71.3,42.9 70.67,42.9 70.59,42.82
  TOP w0.102: 70.59,42.82 67.41,42.82 ; 67.41,42.82 66.39,42.82 65.39,41.82 64.78,41.82 63.22,40.26 61.93,40.26 59.23,37.56 57.42,37.56 55.92,36.06 36.46,36.06 35.96,36.56 33.51,36.56 33.46,36.51 JV5.21 ; 67.41,42.82 TP14.1
MCSID-D1P: length 44.6
  TOP w0.076: 73.45,44.87 73.45,44.73 71.89,43.18 71.36,43.18 71.31,43.13 71.31,43.13 71.23,43.05 70.67,43.05 70.6,43.12 70.59,43.12
  TOP w0.102: TP16.1 67.44,43.12 ; 67.44,43.12 66.26,43.12 65.27,42.13 64.66,42.13 63.09,40.56 61.8,40.56 59.1,37.86 57.29,37.86 55.79,36.37 36.58,36.37 36.08,36.87 33.51,36.87 33.46,36.91 JV5.23 ; 67.44,43.12 70.59,43.12
MCSID-MCLK: length 41.5
  TOP w0.114: RV2.2 61.46,33.46 61.04,33.46 60.21,32.64 60.21,32.16 58.6,30.55 55.06,30.55 54.9,30.71 32.46,30.71 32.44,30.73 30.61,30.73 v1(28.88,32.46) ; CV39.1 28.28,35.02 v1(28.35,34.95) 28.78,34.51 JV5.12
  L3 w0.114: v1(28.88,32.46) 28.88,32.97 28.32,33.53 28.32,34.89 28.35,34.92 v1(28.35,34.95)
MCSID-PWDN: length 58.1
  TOP w0.114: JV5.48 28.84,41.71 27.98,40.86 RV53.2 27.98,38.52 v1(28.03,38.48) ; v1(75.86,43.79) 75.86,44.45 U1.L4
  L4 w0.076: 74.14,42.51 75.42,43.79 v1(75.86,43.79)
  L4 w0.114: v1(28.03,38.48) 33.12,38.48 33.61,37.99 34.86,37.99 37.31,35.55 55.95,35.55 58.14,37.73 61.02,37.73 61.46,38.18 62.36,38.18 62.68,37.86 65.12,37.86 67.45,40.19 71.48,40.19 73.11,41.83 73.46,41.83 74.14,42.51
MCSID-RESET: length 78.3
  TOP w0.076: U1.N2 75.82,43 75.82,42.64 75.39,42.21 74.67,42.21 74.11,41.66
  TOP w0.114: 74.11,41.66 71.39,38.94 71.02,38.94 65.92,33.84 64.09,33.84 60.97,30.72 60.97,26.51 51.39,16.93 37.67,16.93 36.39,18.21 v1(36.39,18.57) ; JV5.16 29.05,35.31 28.47,35.89 v1(28.04,35.89) RV16.2
  L3 w0.114: v1(36.39,18.57) 35.47,19.49 34.77,19.49 32.99,21.26 32.99,28.17 30.41,30.76 30.41,34.18 28.7,35.89 v1(28.04,35.89)
MCSID-SCK: length 55.6
  TOP w0.076: 71.25,40.85 74.17,43.76 74.46,43.76 U1.K1
  TOP w0.114: 71.25,40.85 68.07,40.85 65.04,37.82 63.3,37.82 58.19,32.71 58.19,32.35 57.51,31.67 55.93,31.67 55.87,31.73 54.98,31.73 54.76,31.5 54.74,31.5 54.74,31.5 49.43,31.5 49.42,31.5 32.79,31.5 30.57,33.71 JV5.8 25.54,33.71 RV55.2
MCSID-SDA: length 56.1
  TOP w0.114: RV54.2 25.54,33.31 JV5.6 30.52,33.31 32.66,31.17 55.09,31.17 55.25,31 58.41,31 59.75,32.35 59.75,32.83 60.85,33.92 61.28,33.92 63.38,36.03 65.15,36.03 69.51,40.38 71.39,40.38 74.39,43.39 74.8,43.39 U1.L1
